# KiCad board PROC099A_PCB-PcbDoc.kicad_pcb
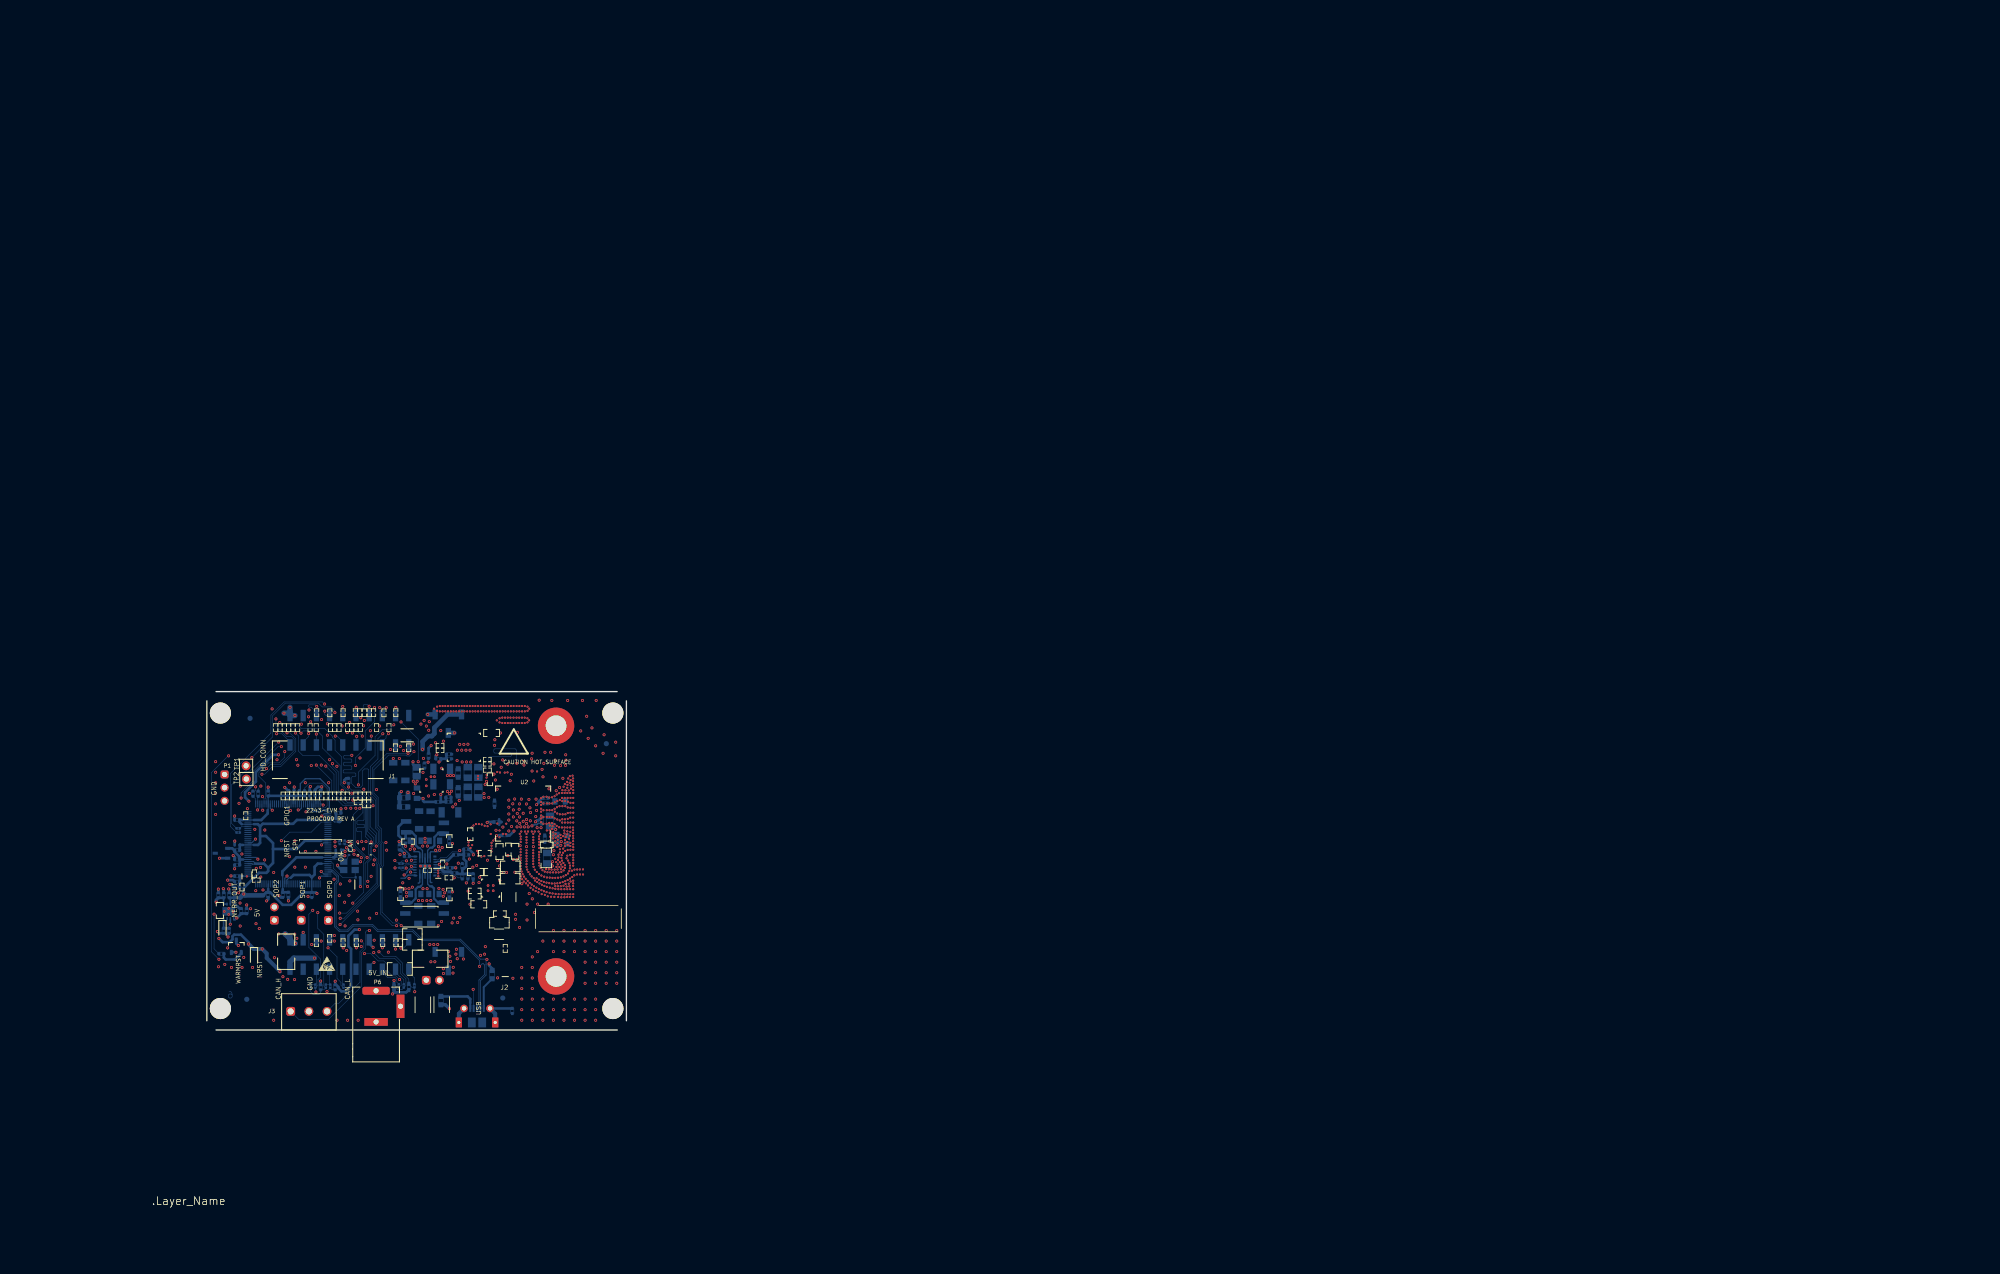
[diagram p0: board, top side]
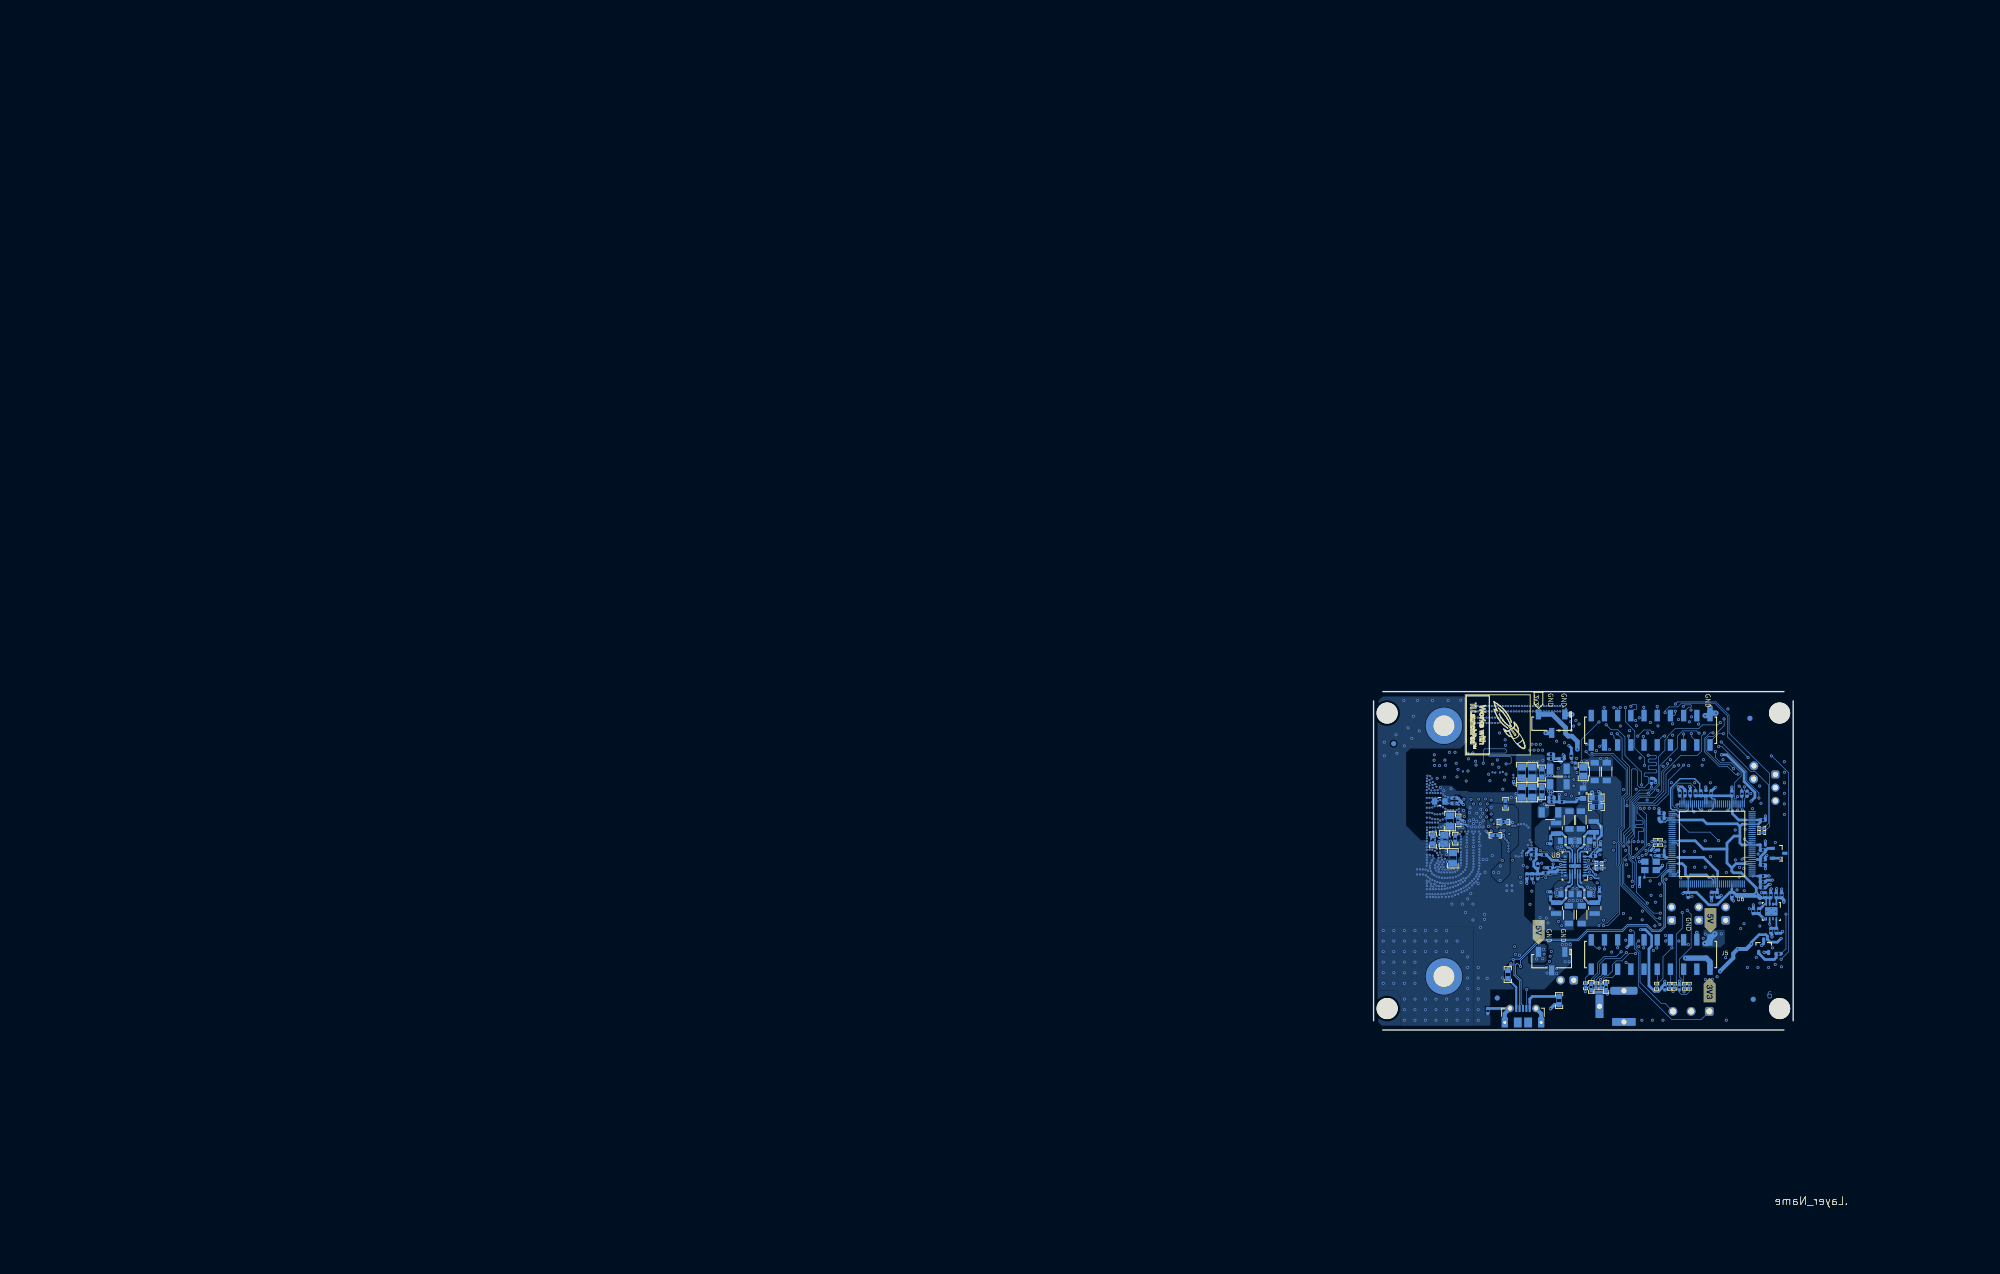
[diagram p1: board, bottom side, seen from below]

Outline 80.77 x 65.15 mm; copper layers: Top, In1.Cu, In2.Cu, In3.Cu, In4.Cu, Bottom. Coordinates in mm from the lower left corner of the outline.
Outline path: 0,1.78 0,63.37 ; 1.78,65.15 78.99,65.15 ; 1.78,0 78.99,0 ; 80.77,1.78 80.77,63.37

## Placement (name value [footprint] x y rotation side)
C1  CAP, CERM, 1 uF, 16 V, +/- 10%, X7R, AEC-Q200 Grade 1, 0603  [0603]  54.82 57.19 0 top
C2  CAP, CERM, 0.1 uF, 50 V, +/- 10%, X7R, AEC-Q200 Grade 1, 0402  [0402L#2]  54.19 54.81 0 top
C3  -  [0402L#4]  63.09 49.11 0 top
C4  CAP, CERM, 0.1 uF, 16 V, +/- 10%, X7R, 0402  [0402L]  56.15 48.51 0 top
C5  -  [0402L]  57.64 48.47 0 top
C6  CAP, CERM, 0.1 uF, 16 V, +/- 10%, X7R, 0402  [0402#3]  54.49 48.27 0 top
C7  -  [0402L]  52.87 48.13 0 top
C8  -  [0201_033]  7.3 46.46 0 top
C9  CAP, CERM, 4.7 pF, 50 V, +/- 2%, C0G/NP0, 0402  [0402]  50.7 37.69 0 top
C10  -  [0402#2]  65.42 35.62 0 top
C11  CAP, CERM, 0.1 uF, 16 V, +/- 10%, X7R, 0402  [0402L]  7.58 34.89 0 top
C12  -  [0402]  58.05 34.75 0 top
C13  CAP, CERM, 1 uF, 16 V, +/- 10%, X7R, AEC-Q200 Grade 1, 0603  [0603#2]  59.36 34.4 0 top
C14  CAP, CERM, 1 uF, 16 V, +/- 10%, X7R, AEC-Q200 Grade 1, 0603  [0603#2]  56.34 34.35 0 top
C15  CAP, CERM, 4.7 pF, 50 V, +/- 2%, C0G/NP0, 0402  [0402#2]  53.5 34.05 0 top
C16  -  [0402L#2]  30.85 32.57 0 top
C17  CAP, CERM, 10 uF, 10 V, +/- 10%, X7R, 0805  [0805_HV#2]  58.41 31.49 0 top
C18  CAP, CERM, 0.47 uF, 16 V, +/- 10%, X7R, AEC-Q200 Grade 1, 0603  [0603]  54.93 30.41 0 top
C19  CAP, CERM, 10 uF, 10 V, +/- 10%, X7R, 0805  [0805_HV#2]  58.39 29.15 0 top
C20  -  [0402L#4]  27.2 25.35 0 top
C21  CAP, CERM, 0.1 uF, 50 V, +/- 10%, X7R, AEC-Q200 Grade 1, 0402  [0402#2]  56.41 22.42 0 top
C22  CAP, CERM, 0.47 uF, 16 V, +/- 10%, X7R, AEC-Q200 Grade 1, 0603  [0603]  52.35 24.2 0 top
C23  CAP, CERM, 10 uF, 10 V, +/- 10%, X7R, 0805  [0805_HV#2]  56.32 20.66 0 top
C24  CAP, CERM, 4700 pF, 50 V, +/- 10%, X7R, AEC-Q200 Grade 1, 0402  [0402S]  30.86 22.19 0 top
C25  CAP, CERM, 22 uF, 6.3 V, +/- 10%, X7R, AEC-Q200 Grade 1, 1206  [1206_180]  56.25 18.43 0 top
C26  -  [3528-21]  45.22 4.12 0 top
C27  -  [3528-21]  41.58 4.09 0 top
C28  -  [0402L#4]  46.62 53.09 0 bottom
C29  -  [0402L#4]  41 45.28 0 top
C30  CAP, CERM, 22 uF, 6.3 V, +/- 10%, X7R, AEC-Q200 Grade 1, 1206  [1206_180#2]  38.22 49.76 0 bottom
C31  CAP, CERM, 22 uF, 6.3 V, +/- 10%, X7R, AEC-Q200 Grade 1, 1206  [1206_180#2]  35.89 49.75 0 bottom
C32  CAP, CERM, 10 uF, 10 V, +/- 10%, X7R, 0805  [0805]  40.4 49.72 0 bottom
C33  CAP, CERM, 1 uF, 16 V, +/- 10%, X7R, AEC-Q200 Grade 1, 0603  [0603#4]  48.4 49.48 0 bottom
C34  CAP, CERM, 10 uF, 10 V, +/- 10%, X7R, 0805  [0805_HV#3]  50.23 49.59 0 bottom
C35  CAP, CERM, 10 uF, 10 V, +/- 10%, X7R, 0805  [0805_HV#3]  52.27 49.59 0 bottom
C36  CAP, CERM, 1 uF, 16 V, +/- 10%, X7R, AEC-Q200 Grade 1, 0603  [0603#2]  48.39 45.86 0 bottom
C37  CAP, CERM, 10 uF, 10 V, +/- 10%, X7R, 0805  [0805_HV]  52.27 45.8 0 bottom
C38  CAP, CERM, 10 uF, 10 V, +/- 10%, X7R, 0805  [0805_HV]  50.23 45.8 0 bottom
C39  -  [0402L#4]  65.22 44.64 0 bottom
C40  CAP, CERM, 10 uF, 10 V, +/- 10%, X7R, 0805  [0805_HV1#2]  40.45 45.59 0 bottom
C41  CAP, CERM, 1 uF, 10 V, +/- 10%, X7S, AEC-Q200 Grade 1, 0402  [0402_070#2]  16.79 45.58 0 bottom
C42  -  [0402L]  15.77 45.58 0 bottom
C43  -  [0402L]  11.82 45.53 0 bottom
C44  -  [0402L#4]  42.23 50.73 0 top
C45  CAP, CERM, 10 uF, 10 V, +/- 10%, X7R, 0805  [0805_HV1]  68.01 44.01 0 bottom
C46  -  [0402L#4]  46.51 43.92 0 bottom
C47  -  [0402L#4]  65.22 43.62 0 bottom
C48  -  [0402]  55.38 43.57 0 bottom
C49  -  [0402L#2]  25.33 41.77 0 bottom
C50  -  [0402S]  5.83 40.43 0 bottom
C51  -  [0402#3]  64.47 40.36 0 bottom
C52  CAP, CERM, 10 uF, 10 V, +/- 10%, X7R, 0805  [0805_HV#3]  66.06 40.23 0 bottom
C53  -  [0402#4]  55.78 40.04 0 bottom
C54  CAP, CERM, 22 uF, 10 V, +/- 10%, X7R, AEC-Q200 Grade 1, 1206  [1206_180#3]  43.07 40.41 0 bottom
C55  CAP, CERM, 22 uF, 10 V, +/- 10%, X7R, AEC-Q200 Grade 1, 1206  [1206_180#3]  40.87 40.44 0 bottom
C56  -  [0402#4]  57.32 37.49 0 bottom
C57  -  [0402#3]  65.05 36.84 0 bottom
C58  CAP, CERM, 10 uF, 10 V, +/- 10%, X7R, 0805  [0805]  67.16 36.67 0 bottom
C59  CAP, CERM, 10 uF, 10 V, +/- 10%, X7R, 0805  [0805_HV1]  40.22 36.44 0 bottom
C60  CAP, CERM, 10 uF, 10 V, +/- 10%, X7R, 0805  [0805_HV1#3]  43.81 36.42 0 bottom
C61  CAP, CERM, 1 uF, 10 V, +/- 10%, X7S, AEC-Q200 Grade 1, 0402  [0402_070#3]  5.85 35.63 0 bottom
C62  CAP, CERM, 1 uF, 10 V, +/- 10%, X7S, AEC-Q200 Grade 1, 0402  [0402_070]  25.33 34.65 0 bottom
C63  Cap Ceramic 8pF 50V C0G 0.5pF SMD 0402 125C Paper T/R  [FP-GCM1555C1H8R0DA16_0402-MFG]  29.06 29.38 0 bottom
C64  -  [0402L#2]  25.33 33.55 0 bottom
C65  CAP, CERM, 10 uF, 10 V, +/- 10%, X7R, 0805  [0805_HV#3]  65.52 33.08 0 bottom
C66  -  [0402L#4]  5.84 32.83 0 bottom
C67  -  [0402L#4]  5.84 31.78 0 bottom
C68  -  [0402L#2]  46.79 31.23 0 bottom
C69  -  [0402L#4]  5.85 29.62 0 bottom
C70  Cap Ceramic 8pF 50V C0G 0.5pF SMD 0402 125C Paper T/R  [FP-GCM1555C1H8R0DA16_0402-MFG#2]  27.37 34.1 0 bottom
C71  -  [0402L#2]  23.29 29.79 0 top
C72  CAP, CERM, 10 uF, 10 V, +/- 10%, X7R, 0805  [0805_HV1#3]  43.72 26.19 0 bottom
C73  CAP, CERM, 10 uF, 10 V, +/- 10%, X7R, 0805  [0805_HV1]  40.2 26.19 0 bottom
C74  CAP, CERM, 2.2 uF, 10 V, +/- 10%, X7S, 0402  [0402_065L#2]  15.71 26.03 0 bottom
C75  -  [0402L#3]  14.62 26.03 0 bottom
C76  -  [0402L#3]  11.8 26.02 0 bottom
C77  CAP, CERM, 2.2 uF, 10 V, +/- 10%, X7S, 0402  [0402_065L]  5.35 25.95 0 bottom
C78  CAP, CERM, 15 pF, 50 V,+/- 1%, C0G/NP0, 0402  [0402L]  4.31 25.95 0 bottom
C79  -  [0402L]  3.26 25.94 0 bottom
C80  CAP, CERM, 2.2 uF, 10 V, +/- 10%, X7S, 0402  [0402_065L]  2.22 25.93 0 bottom
C81  CAP, CERM, 22 uF, 10 V, +/- 10%, X7R, AEC-Q200 Grade 1, 1206  [1206_180#2]  40.71 22.2 0 bottom
C82  CAP, CERM, 22 uF, 10 V, +/- 10%, X7R, AEC-Q200 Grade 1, 1206  [1206_180#2]  43.19 22.21 0 bottom
C83  CAP, CERM, 10 uF, 10 V, +/- 10%, X7R, 0805  [0805_HV]  65.36 33.13 0 top
C84  -  [0402L#2]  46.79 31.22 0 top
C85  -  [0402L#3]  8.73 27.33 0 top
C86  CAP, CERM, 390 pF, 50 V, +/- 5%, C0G/NP0, 0402  [0402#2]  38.72 36.27 0 top
C87  CAP, CERM, 390 pF, 50 V, +/- 5%, C0G/NP0, 0402  [0402#3]  46.68 36.38 0 top
C88  CAP, CERM, 390 pF, 50 V, +/- 5%, C0G/NP0, 0402  [0402]  37.28 26.17 0 top
C89  CAP, CERM, 390 pF, 50 V, +/- 5%, C0G/NP0, 0402  [0402]  46.69 26.11 0 top
C90  -  [0402L#2]  33.5 34.66 0 top
C91  CAP, CERM, 1 uF, 16 V, +/- 10%, X7R, AEC-Q200 Grade 1, 0603  [0603#3]  51.72 30.41 0 top
CAUTION HOT SURFACE1  IEC 61010-1 Hot Surface Warning  [IEC_HotSurface_Small]  59.08 55.57 0 top
D2  Diode, Schottky,  V, 0.01 A, SOD-882  [SOD-882]  3.77 32.22 0 top
D3  Diode, TVS, Uni, 5.8 V, 10.5 Vc, AEC-Q101, SMB  [SMB]  41.34 21.82 0 top
DS1  LED, Super Red, SMD  [SML-LX0603SRW_SuperRed]  5.65 19.6 0 top
DS2  LED, Super Red, SMD  [SML-LX0603SRW_SuperRed]  8.56 19.74 0 top
DS3  LED, Yellow, SMD  [SML-E1_Yellow]  3.01 19.55 0 top
DS4  LED, Yellow, SMD  [SML-E1_Yellow]  9.09 14.34 0 top
DS5  LED, Super Red, SMD  [SML-LX0603SRW_SuperRed]  3.46 11.13 0 top
ESD Susceptible1  ESD Susceptible Symbol  [ESD_Overlay_Small]  23.09 12.61 0 top
F1  Fuse, 5 A, 32VAC/VDC, SMD  [1206]  37.15 11.75 0 top
FB1  Ferrite Bead, 30 ohm @ 100 MHz, 4 A, 0805  [0805_HV#2]  39.57 16.4 0 top
FB2  Ferrite Bead, 30 ohm @ 100 MHz, 4 A, 0805  [0805_HV#2]  39.57 18.48 0 top
FID1  Fiducial mark.  There is nothing to buy or mount.  [Fiducial10-20]  8.32 60.01 0 bottom
FID2  Fiducial mark.  There is nothing to buy or mount.  [Fiducial10-20]  7.69 5.91 0 bottom
FID3  Fiducial mark.  There is nothing to buy or mount.  [Fiducial10-20]  76.9 55.13 0 bottom
FID4  Fiducial mark.  There is nothing to buy or mount.  [Fiducial10-20]  56.97 6.16 0 top
FID5  Fiducial mark.  There is nothing to buy or mount.  [Fiducial10-20]  56.97 6.16 0 bottom
FID6  Fiducial mark.  There is nothing to buy or mount.  [Fiducial10-20]  8.33 57.47 0 top
FID7  Fiducial mark.  There is nothing to buy or mount.  [Fiducial10-20]  7.69 8.57 0 top
J1  Receptacle, 0.5 mm, 30x2, Gold, TH  [Samtec_QSH-030-01-X-D-A]  23.29 52.04 0 top
J2  UMC Straight Jack Receptacle, 50 Ohm, Gold, SMT  [Johnson_128-0711-201]  57.44 11.59 0 top
J3  Terminal Block, 3.5mm, 3x1, Tin, R/A, TH  [On-Shore_OSTTE030161]  19.64 3.59 0 top
J4  Receptacle, 2.54mm, 3x1, Gold with Tin tail, SMT  [Samtec_SSM-103-x-SV]  46.49 58.98 0 bottom
J5  Receptacle, 2.54mm, 10x2, Gold with Tin tail, SMT  [Samtec_SSM-110-x-DV]  27.44 14.53 0 bottom
J6  Receptacle, 2.54mm, 10x2, Gold with Tin tail, SMT  [Samtec_SSM-110-x-DV]  27.44 57.71 0 bottom
J7  Receptacle, 2.54mm, 3x1, Gold with Tin tail, SMT  [Samtec_SSM-103-x-SV]  46.49 13.26 0 bottom
J8  Connector, Receptacle, Micro-USB Type B, R/A, Bottom Mount SMT  [CONN_105017-0001]  52.01 2.8 0 bottom
L1  Inductor, Shielded, 470 nH, 4.7 A, 0.021 ohm, SMD  [DFE252012P]  45.64 38.83 0 bottom
L2  Inductor, Shielded, 470 nH, 4.7 A, 0.021 ohm, SMD  [DFE252012P]  38.37 39.1 0 bottom
L3  Inductor, Shielded, 470 nH, 4.7 A, 0.021 ohm, SMD  [DFE252012P#2]  45.63 23.48 0 bottom
L4  Inductor, Shielded, 470 nH, 4.7 A, 0.021 ohm, SMD  [DFE252012P#2]  38.21 23.48 0 bottom
L5  Inductor, Wirewound, Ferrite, 100 nH, 2.85 A, 0.024 ohm, AEC-Q200 Grade 1, SMD  [NLCV32#2]  45.22 47.3 0 bottom
L7  Inductor, Wirewound, Ferrite, 100 nH, 2.85 A, 0.024 ohm, AEC-Q200 Grade 1, SMD  [NLCV32]  58.11 25.59 0 top
L8  Inductor, Wirewound, Ferrite, 100 nH, 2.85 A, 0.024 ohm, AEC-Q200 Grade 1, SMD  [NLCV32#2]  45.22 50.29 0 bottom
L9  Inductor, Wirewound, Ferrite, 100 nH, 2.85 A, 0.024 ohm, AEC-Q200 Grade 1, SMD  [NLCV32#2]  46.81 41.9 0 bottom
LBL1  Thermal Transfer Printable Labels, 0.650" W x 0.200" H - 10,000 per roll  [Label_650x200]  71.53 21.44 0 top
Logo1  Texas Instrument Corporate Signature  [TI_Stacked_Overlay_Small]  69.67 16.63 0 top
Logo2  -  [FCC_disclaimer]  60.35 66.56 0 top
Logo3  WEEE logo  [WEEE_Minimum]  75.37 11.17 0 top
LOGO4  CE Mark  [CE_Mark_5mm]  66.18 3.58 0 top
NOREF  -  [DEFAULT]  -42.91 -50.08 0 top
P1  Header, 2.54 mm, 3x1, Tin, TH  [Samtec_TSW-103-07-T-S]  3.42 46.66 0 top
P2  Header, 100mil, 2x1, Gold, TH  [TSW-102-07-G-S#2]  18.17 22.41 0 top
P3  Header, 100mil, 2x1, Gold, TH  [TSW-102-07-G-S#2]  13 22.4 0 top
P4  Header, 100mil, 2x1, Gold, TH  [TSW-102-07-G-S#2]  23.4 22.38 0 top
P5  Header, 100mil, 2x1, Gold, TH  [TSW-102-07-G-S]  43.5 9.59 0 top
P6  DC POWER JACK, R/A, TH  [CUI_PJ-002AH]  32.58 4.56 0 top
Q1  MOSFET, N-CH, 100 V, 0.17 A, SOT-23  [SOT-23]  5.67 16.14 0 top
Q2  MOSFET, N-CH, 100 V, 0.17 A, SOT-23  [SOT-23#2]  5.67 16.12 0 bottom
R1  RES, 0, 5%, 0.05 W, 0201  [0201_Silk]  21.15 61.09 0 top
R2  RES, 0, 5%, 0.05 W, 0201  [0201_Silk]  26.23 61.09 0 top
R3  RES, 0, 5%, 0.05 W, 0201  [0201_Silk]  30.36 61.09 0 top
R4  RES, 0, 5%, 0.05 W, 0201  [0201_Silk]  28.58 61.09 0 top
R5  RES, 0, 5%, 0.05 W, 0201  [0201_Silk]  29.4 61.09 0 top
R6  RES, 0, 5%, 0.05 W, 0201  [0201_Silk]  31.29 61.09 0 top
R7  RES, 0, 5%, 0.05 W, 0201  [0201_Silk]  27.05 45.07 0 top
R8  RES, 0, 5%, 0.05 W, 0201  [0201_Silk]  36.38 61.09 0 top
R9  RES, 0, 5%, 0.05 W, 0201  [0201_Silk]  23.69 61.07 0 top
R10  RES, 0, 5%, 0.05 W, 0201  [0201_Silk]  34.09 61.07 0 top
R11  RES, 0, 5%, 0.063 W, 0402  [0402L#4]  33 36.24 0 top
R12  RES, 0, 5%, 0.063 W, 0402  [0402L#3]  28.4 32.52 0 top
R13  RES, 10.0 k, 1%, 0.063 W, AEC-Q200 Grade 0, 0402  [0402L#3]  33.05 60.87 0 top
R14  RES, 10.0 k, 1%, 0.063 W, AEC-Q200 Grade 0, 0402  [0402L#3]  18.82 60.39 0 top
R15  RES, 10.0 k, 1%, 0.063 W, AEC-Q200 Grade 0, 0402  [0402L#4]  29.1 59.49 0 top
R16  RES, 10.0 k, 1%, 0.063 W, AEC-Q200 Grade 0, 0402  [0402L]  18.82 58.41 0 top
R17  RES, 0, 5%, 0.05 W, 0201  [0201_Silk]  29.54 58.25 0 top
R18  RES, 0, 5%, 0.05 W, 0201  [0201_Silk]  28.73 58.23 0 top
R19  RES, 0, 5%, 0.05 W, 0201  [0201_Silk]  13.26 58.22 0 top
R20  RES, 0, 5%, 0.05 W, 0201  [0201_Silk]  14.09 58.22 0 top
R21  RES, 0, 5%, 0.05 W, 0201  [0201_Silk]  14.91 58.22 0 top
R22  RES, 0, 5%, 0.05 W, 0201  [0201_Silk]  16.58 58.22 0 top
R23  RES, 0, 5%, 0.05 W, 0201  [0201_Silk]  17.48 58.22 0 top
R24  RES, 0, 5%, 0.05 W, 0201  [0201_Silk]  19.88 58.22 0 top
R25  RES, 0, 5%, 0.05 W, 0201  [0201_Silk]  21.06 58.22 0 top
R26  RES, 0, 5%, 0.05 W, 0201  [0201_Silk]  23.8 58.22 0 top
R27  RES, 0, 5%, 0.05 W, 0201  [0201_Silk]  24.62 58.22 0 top
R28  RES, 0, 5%, 0.05 W, 0201  [0201_Silk]  25.45 58.22 0 top
R29  RES, 0, 5%, 0.05 W, 0201  [0201_Silk]  27.09 58.22 0 top
R30  RES, 0, 5%, 0.05 W, 0201  [0201_Silk]  27.9 58.22 0 top
R31  RES, 0, 5%, 0.05 W, 0201  [0201_Silk]  32.68 58.22 0 top
R32  RES, 0, 5%, 0.05 W, 0201  [0201_Silk]  35.06 58.22 0 top
R33  RES, 0, 5%, 0.05 W, 0201  [0201_Silk]  15.75 58.21 0 top
R34  RES, 0, 5%, 0.75 W, AEC-Q200 Grade 0, 2010  [2010L]  38.55 56.74 0 top
R35  RES, 0, 5%, 0.05 W, 0201  [0201_Silk#2]  36.31 54.34 0 top
R36  RES, 0, 5%, 0.05 W, 0201  [0201_Silk#2]  38.86 54.34 0 top
R37  RES, 0, 5%, 0.063 W, 0402  [0402L#2]  54.2 55.89 0 top
R38  RES, 47.5 k, 1%, 0.063 W, AEC-Q200 Grade 0, 0402  [0402L#2]  44.72 56.26 0 top
R39  RES, 33.2, 1%, 0.05 W, 0201  [0201_Silk#3]  44.9 54.74 0 top
R40  RES, 33.2, 1%, 0.05 W, 0201  [0201_Silk#3]  53.99 52.09 0 top
R41  RES, 10.0 k, 1%, 0.063 W, AEC-Q200 Grade 0, 0402  [0402L#4]  55.74 51.99 0 top
R42  RES, 33.2, 1%, 0.05 W, 0201  [0201_Silk#3]  44.9 53.83 0 top
R43  RES, 10.0 k, 1%, 0.063 W, AEC-Q200 Grade 0, 0402  [0402L#2]  43.16 53.67 0 top
R44  RES, 33.2, 1%, 0.05 W, 0201  [0201_Silk#3]  53.99 51.22 0 top
R45  RES, 33.2, 1%, 0.05 W, 0201  [0201_Silk#3]  54.01 50.03 0 top
R46  RES, 10.0 k, 1%, 0.063 W, AEC-Q200 Grade 0, 0402  [0402L#2]  39.91 48.73 0 top
R47  RES, 10.0 k, 1%, 0.063 W, AEC-Q200 Grade 0, 0402  [0402L#4]  39.91 49.56 0 top
R48  RES, 0, 5%, 0.05 W, 0201  [0201_Silk]  14.69 45.07 0 top
R49  RES, 0, 5%, 0.05 W, 0201  [0201_Silk]  15.52 45.07 0 top
R50  RES, 0, 5%, 0.05 W, 0201  [0201_Silk]  16.34 45.07 0 top
R51  RES, 0, 5%, 0.05 W, 0201  [0201_Silk]  17.17 45.07 0 top
R52  RES, 0, 5%, 0.05 W, 0201  [0201_Silk]  18 45.07 0 top
R53  RES, 0, 5%, 0.05 W, 0201  [0201_Silk]  18.82 45.07 0 top
R54  RES, 0, 5%, 0.05 W, 0201  [0201_Silk]  19.66 45.07 0 top
R55  RES, 0, 5%, 0.05 W, 0201  [0201_Silk]  20.49 45.07 0 top
R56  RES, 0, 5%, 0.05 W, 0201  [0201_Silk]  21.3 45.07 0 top
R57  RES, 0, 5%, 0.05 W, 0201  [0201_Silk]  22.12 45.07 0 top
R58  RES, 0, 5%, 0.05 W, 0201  [0201_Silk]  22.94 45.07 0 top
R59  RES, 0, 5%, 0.05 W, 0201  [0201_Silk]  23.77 45.07 0 top
R60  RES, 0, 5%, 0.05 W, 0201  [0201_Silk]  24.59 45.07 0 top
R61  RES, 0, 5%, 0.05 W, 0201  [0201_Silk]  25.41 45.07 0 top
R62  RES, 0, 5%, 0.05 W, 0201  [0201_Silk]  26.23 45.07 0 top
R63  RES, 0, 5%, 0.05 W, 0201  [0201_Silk]  32.11 61.09 0 top
R64  RES, 0, 5%, 0.05 W, 0201  [0201_Silk]  28.69 45.07 0 top
R65  RES, 0, 5%, 0.05 W, 0201  [0201_Silk]  29.51 45.07 0 top
R66  RES, 0, 5%, 0.05 W, 0201  [0201_Silk]  30.34 45.07 0 top
R67  RES, 0, 5%, 0.05 W, 0201  [0201_Silk]  31.17 45.07 0 top
R68  RES, 100, 5%, 0.1 W, AEC-Q200 Grade 0, 0402  [0402L]  8.86 43.58 0 top
R69  RES, 0, 5%, 0.05 W, 0201  [0201_Silk#4]  29.13 43.84 0 top
R70  RES, 0, 5%, 0.05 W, 0201  [0201_Silk]  30.33 43.54 0 top
R71  RES, 0, 5%, 0.05 W, 0201  [0201_Silk]  31.17 43.54 0 top
R72  RES, 0, 5%, 0.05 W, 0201  [0201_Silk#2]  7.5 41.24 0 top
R73  RES, 10.0 k, 1%, 0.063 W, AEC-Q200 Grade 0, 0402  [0402L]  7.49 39.46 0 top
R74  RES, 10.0 k, 1%, 0.063 W, AEC-Q200 Grade 0, 0402  [0402L#2]  3.92 35.14 0 top
R75  RES, 0, 5%, 0.05 W, 0201  [0201_Silk]  25.57 36.14 0 bottom
R76  RES, 0, 5%, 0.05 W, 0201  [0201_Silk]  26.53 36.14 0 bottom
R77  RES, 100, 5%, 0.1 W, AEC-Q200 Grade 0, 0402  [0402L#3]  1.91 34.32 0 top
R78  RES, 0, 5%, 0.063 W, 0402  [0402L#4]  30.85 31.77 0 top
R79  RES, 100, 5%, 0.1 W, AEC-Q200 Grade 0, 0402  [0402L#2]  9.86 32.04 0 top
R80  RES, 100, 5%, 0.1 W, AEC-Q200 Grade 0, 0402  [0402L]  1.92 31.74 0 top
R81  RES, 10.0 k, 1%, 0.063 W, AEC-Q200 Grade 0, 0402  [0402L#4]  53.15 31.69 0 top
R82  RES, 12.7 k, 1%, 0.063 W, AEC-Q200 Grade 0, 0402  [0402L#4]  55.07 31.69 0 top
R83  RES, 10.0 k, 1%, 0.063 W, AEC-Q200 Grade 0, 0402  [0402#2]  51.56 26.78 0 top
R84  RES, 10.0 k, 1%, 0.063 W, AEC-Q200 Grade 0, 0402  [0402#4]  51.56 25.75 0 top
R85  RES, 61.9, 1%, 0.063 W, AEC-Q200 Grade 0, 0402  [0402L]  31.63 23.6 0 top
R86  RES, 10.0 k, 1%, 0.063 W, AEC-Q200 Grade 0, 0402  [0402L#3]  32.9 23.6 0 top
R87  RES, 61.9, 1%, 0.063 W, AEC-Q200 Grade 0, 0402  [0402L#3]  30.36 23.6 0 top
R88  RES, 82.5 k, 1%, 0.063 W, AEC-Q200 Grade 0, 0402  [0402L#3]  26.52 23.41 0 top
R89  RES, 10.0 k, 1%, 0.063 W, AEC-Q200 Grade 0, 0402  [0402L#3]  27.55 23.4 0 top
R90  RES, 360, 5%, 0.1 W, AEC-Q200 Grade 0, 0402  [0402L]  7.7 22.87 0 top
R91  RES, 10.0 k, 1%, 0.063 W, AEC-Q200 Grade 0, 0402  [0402L]  6.39 22.87 0 top
R92  RES, 7.87 k, 1%, 0.063 W, AEC-Q200 Grade 0, 0402  [0402L#3]  26.51 21.43 0 top
R93  RES, 750, 1%, 0.063 W, AEC-Q200 Grade 0, 0402  [0402L#3]  27.53 21.41 0 top
R94  RES, 0, 5%, 0.05 W, 0201  [0201_Silk#2]  23.65 17.65 0 top
R95  RES, 7.87 k, 1%, 0.063 W, AEC-Q200 Grade 0, 0402  [0402L]  19.09 17.45 0 top
R96  RES, 82.5 k, 1%, 0.063 W, AEC-Q200 Grade 0, 0402  [0402L#3]  18.07 17.44 0 top
R97  RES, 0, 5%, 0.063 W, 0402  [0402L]  9.85 17.06 0 top
R98  RES, 10.0 k, 1%, 0.063 W, AEC-Q200 Grade 0, 0402  [0402L]  10.89 17.04 0 top
R99  RES, 7.87 k, 1%, 0.063 W, AEC-Q200 Grade 0, 0402  [0402L]  13.01 17.06 0 top
R100  RES, 510, 5%, 0.1 W, AEC-Q200 Grade 0, 0402  [0402L#3]  8.78 17.06 0 top
R101  RES, 750, 1%, 0.063 W, AEC-Q200 Grade 0, 0402  [0402L]  11.93 17.05 0 top
R102  RES, 0, 5%, 0.05 W, 0201  [0201_Silk#2]  33.86 16.83 0 top
R103  RES, 510, 5%, 0.1 W, AEC-Q200 Grade 0, 0402  [0402L#2]  2.8 16.83 0 top
R104  RES, 0, 5%, 0.05 W, 0201  [0201_Silk#2]  21.09 16.81 0 top
R105  RES, 0, 5%, 0.05 W, 0201  [0201_Silk#2]  26.23 16.81 0 top
R106  RES, 0, 5%, 0.05 W, 0201  [0201_Silk#2]  28.78 16.81 0 top
R107  RES, 0, 5%, 0.063 W, 0402  [0402L]  31.31 16.81 0 top
R108  RES, 0, 5%, 0.05 W, 0201  [0201_Silk#2]  36.4 16.8 0 top
R109  RES, 0, 5%, 0.05 W, 0201  [0201_Silk#2]  37.23 16.8 0 top
R110  RES, 100 k, 1%, 0.063 W, AEC-Q200 Grade 0, 0402  [0402L#2]  2.81 15.81 0 top
R111  RES, 0, 5%, 0.05 W, 0201  [0201_Silk]  57.44 15.71 0 top
R112  RES, 750, 1%, 0.063 W, AEC-Q200 Grade 0, 0402  [0402L#3]  19.1 15.5 0 top
R113  RES, 10.0 k, 1%, 0.063 W, AEC-Q200 Grade 0, 0402  [0402L]  18.08 15.5 0 top
R114  RES, 82.5 k, 1%, 0.063 W, AEC-Q200 Grade 0, 0402  [0402L]  13.01 15.13 0 top
R115  RES, 0, 5%, 0.75 W, AEC-Q200 Grade 0, 2010  [2010]  15.28 15.08 0 top
R116  RES, 510, 5%, 0.1 W, AEC-Q200 Grade 0, 0402  [0402L#4]  2.81 14.7 0 top
R117  RES, 510, 5%, 0.1 W, AEC-Q200 Grade 0, 0402  [0402L]  10.45 14.09 0 top
R118  RES, 0, 5%, 0.75 W, AEC-Q200 Grade 0, 2010  [2010#2]  42.99 13.72 0 top
R119  RES, 0, 5%, 0.063 W, 0402  [0402L]  42.69 52.8 0 bottom
R120  RES, 0, 5%, 0.063 W, 0402  [0402L]  41.89 50.91 0 bottom
R121  RES, 3.00 k, 1%, 0.063 W, AEC-Q200 Grade 0, 0402  [0402L#4]  44.57 52.23 0 bottom
R122  RES, 1.96 k, 1%, 0.063 W, AEC-Q200 Grade 0, 0402  [0402L#4]  46.62 52.23 0 bottom
R123  RES, 1.00 k, 1%, 0.063 W, AEC-Q200 Grade 0, 0402  [0402L#3]  21.84 45.58 0 bottom
R124  RES, 1.00 k, 1%, 0.063 W, AEC-Q200 Grade 0, 0402  [0402L]  18.81 45.58 0 bottom
R125  RES, 10.0 k, 1%, 0.063 W, 0402  [0402L#4]  33.83 35.47 0 top
R126  RES, 1.00 k, 1%, 0.063 W, AEC-Q200 Grade 0, 0402  [0402L#3]  20.84 45.58 0 bottom
R127  RES, 1.00 k, 1%, 0.063 W, AEC-Q200 Grade 0, 0402  [0402L]  17.8 45.58 0 bottom
R128  RES, 0, 5%, 0.063 W, 0402  [0402L]  8.87 45.5 0 bottom
R129  RES, 0, 5%, 0.063 W, 0402  [0402L]  9.9 45.49 0 bottom
R130  RES, 0, 5%, 0.125 W, 0603  [0603]  37.92 44.73 0 bottom
R131  RES, 1.96 k, 1%, 0.063 W, AEC-Q200 Grade 0, 0402  [0402L#4]  46.52 44.81 0 bottom
R132  RES, 3.00 k, 1%, 0.063 W, AEC-Q200 Grade 0, 0402  [0402L#4]  44.54 43.92 0 bottom
R133  RES, 0, 5%, 0.125 W, 0603  [0603]  37.88 42.97 0 bottom
R134  RES, 49.9, 1%, 0.063 W, AEC-Q200 Grade 0, 0402  [0402L#4]  25.33 40.72 0 bottom
R135  RES, 0, 5%, 0.05 W, 0201  [0201_Silk#3]  6.03 38.83 0 bottom
R136  RES, 0, 5%, 0.05 W, 0201  [0201_Silk#3]  6.03 38.02 0 bottom
R137  RES, 0, 5%, 0.125 W, 0603  [0603#4]  69.38 36.59 0 bottom
R138  RES, 100 k, 1%, 0.063 W, AEC-Q200 Grade 0, 0402  [0402L]  37.1 35.17 0 bottom
R139  RES, 1.96 k, 1%, 0.063 W, AEC-Q200 Grade 0, 0402  [0402L#2]  49.94 34.8 0 bottom
R140  RES, 1.00 k, 1%, 0.063 W, AEC-Q200 Grade 0, 0402  [0402L#4]  5.85 34.6 0 bottom
R141  RES, 0, 5%, 0.063 W, 0402  [0402L#2]  38.51 33.44 0 bottom